# KiCad board artix-dc-scm.kicad_pcb (continued)
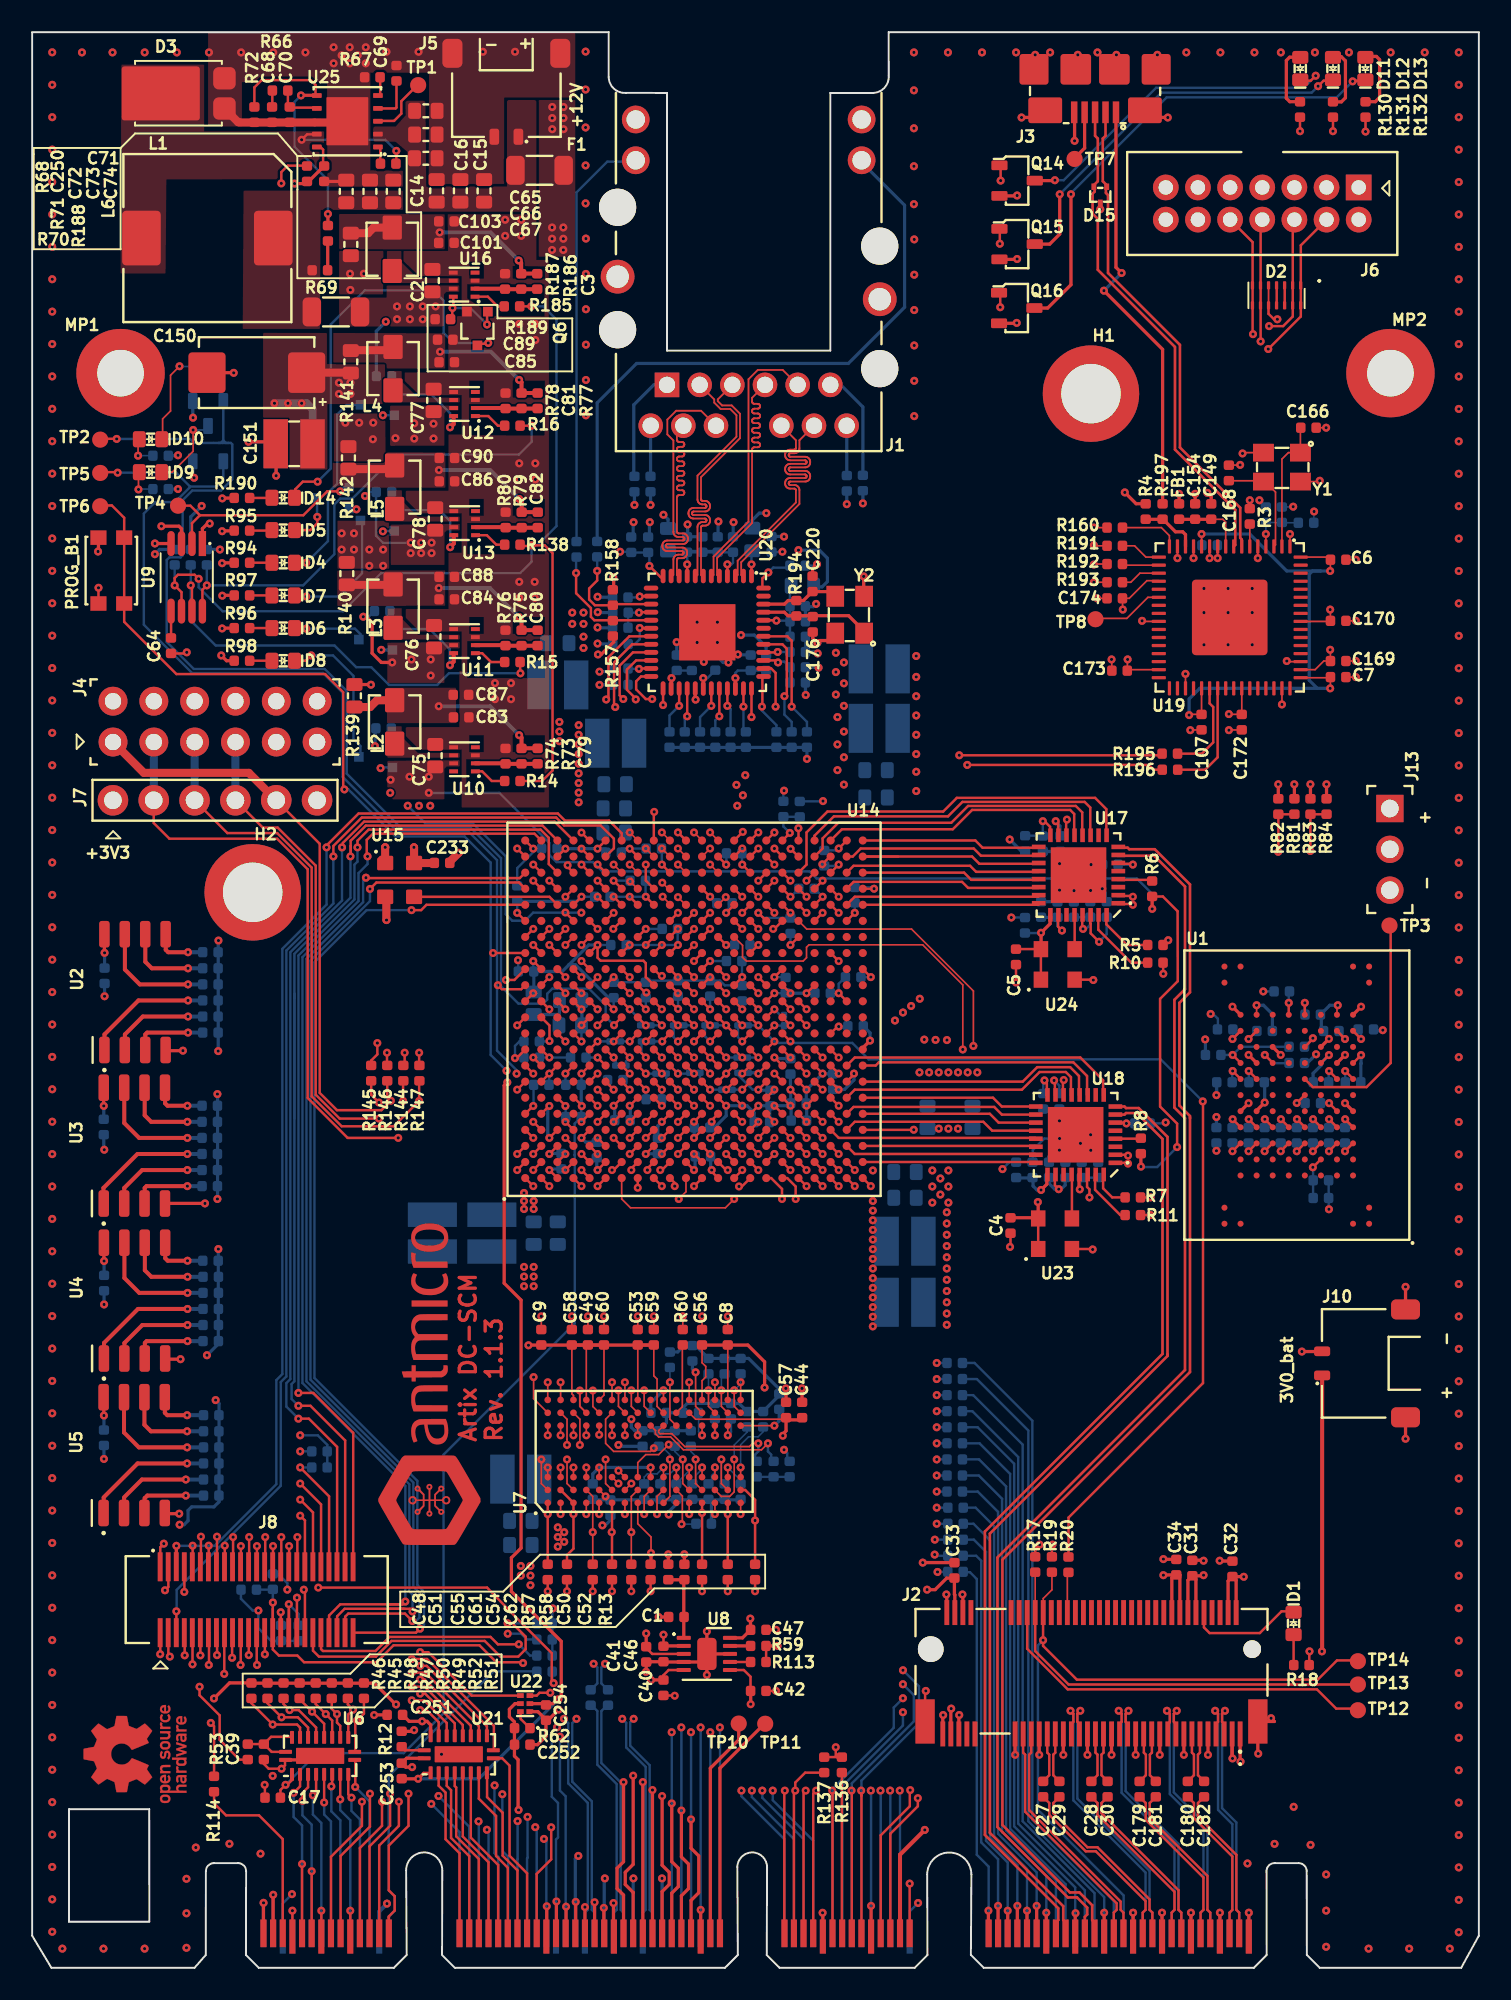
[diagram p0: board, top side]
## Nets (continued)
NCSI_TXEN: J9.B20 U14.A13
PCIE_BMC_CLK_100_N: J9.A15 U14.E6
PCIE_BMC_CLK_100_P: J9.A14 U14.F6
PCIE_BMC_RX_N: J9.A21 U14.A8
PCIE_BMC_RX_P: J9.A20 U14.B8
PCIE_BMC_TX_N: C194.1 J9.A18
PCIE_BMC_TX_P: C195.1 J9.A17
PCIE_HPM_CLK_N: J2.53 J9.B57
PCIE_HPM_CLK_P: J2.55 J9.B56
PCIE_HPM_RX[0]_N: J2.41 J9.A60
PCIE_HPM_RX[0]_P: J2.43 J9.A59
PCIE_HPM_RX[1]_N: J2.29 J9.A63
PCIE_HPM_RX[1]_P: J2.31 J9.A62
PCIE_HPM_RX[2]_N: J2.17 J9.A66
PCIE_HPM_RX[2]_P: J2.19 J9.A65
PCIE_HPM_RX[3]_N: J2.5 J9.A69
PCIE_HPM_RX[3]_P: J2.7 J9.A68
PCIE_HPM_TX[0]_N: C29.2 J9.B60
PCIE_HPM_TX[0]_P: C27.2 J9.B59
PCIE_HPM_TX[1]_N: C30.2 J9.B63
PCIE_HPM_TX[1]_P: C28.2 J9.B62
PCIE_HPM_TX[2]_N: C181.2 J9.B66
PCIE_HPM_TX[2]_P: C179.2 J9.B65
PCIE_HPM_TX[3]_N: C182.2 J9.B69
PCIE_HPM_TX[3]_P: C180.2 J9.B68
PECI_BMC: J9.B27 TP10.1
PROGRAM: J8.40 PROG_B1.1 PROG_B1.2 R89.2 TP6.1 U14.N12
PRSNT0_N_R: R114.1 U14.E21
PRSNT1_N: J2.50 J9.A57 R19.2 TP14.1
QSPI0_CLK: J8.18 J9.B11
QSPI0_CS0_N: J8.20 J9.B12
QSPI0_CS1_N: J8.7 J9.B42
QSPI0_D0: J8.22 J9.B13
QSPI0_D1: J8.24 J9.B14
QSPI0_D2: J8.26 J9.B15
QSPI0_D3: J8.28 J9.B16
QSPI1_CLK: J9.B43 U14.R4
QSPI1_CS0_N: J9.B44 U14.R2
QSPI1_D0: J9.B45 U14.R3
QSPI1_D1: J9.B46 U14.T4
QSPI1_D2: J9.B47 U14.T3
QSPI1_D3: J9.B48 U14.T1
QSPIA1_CS_N: J8.12 R24.2 U5.1
QSPIA1_D0: J8.16 R32.1 U5.5
QSPIA1_D1: J8.10 R44.1 U5.2
QSPIA1_D2: J8.8 R36.1 U5.3
QSPIA1_D3: J8.14 R40.1 U5.7
QSPIA2_CS_N: J8.13 R23.2 U4.1
QSPIA2_D0: J8.19 R31.1 U4.5
QSPIA2_D1: J8.11 R43.1 U4.2
QSPIA2_D2: J8.9 R35.1 U4.3
QSPIA2_D3: J8.15 R39.1 U4.7
QSPIA_CLK: J8.17 R27.2 R28.2 U4.6 U5.6
QSPIB1_CS_N: J8.25 R22.2 U3.1
QSPIB1_D0: J8.29 R30.1 U3.5
QSPIB1_D1: J8.23 R42.1 U3.2
QSPIB1_D2: J8.21 R34.1 U3.3
QSPIB1_D3: J8.27 R38.1 U3.7
QSPIB2_CS_N: J8.35 R21.2 U2.1
QSPIB2_D0: J8.41 R29.1 U2.5
QSPIB2_D1: J8.33 R41.1 U2.2
QSPIB2_D2: J8.31 R33.1 U2.3
QSPIB2_D3: J8.37 R37.1 U2.7
QSPIB_CLK: J8.39 R25.2 R26.2 U2.6 U3.6
RGMII_REF_CLK: R153.1 U14.H19 U20.41
RGMII_RX_CLK: R152.1 U14.K19 U20.35
RGMII_RX_DV: R151.1 U14.M22 U20.33
RGMII_RXD0: R127.1 U14.L20 U20.32
RGMII_RXD1: R148.1 U14.L21 U20.31
RGMII_RXD2: R149.1 U14.K21 U20.28
RGMII_RXD3: R150.1 U14.K22 U20.27
RGMII_TX_CLK: U14.J19 U20.24
RGMII_TX_DV: U14.J22 U20.25
RGMII_TXD0: U14.G20 U20.19
RGMII_TXD1: U14.H20 U20.20
RGMII_TXD2: U14.H22 U20.21
RGMII_TXD3: U14.J21 U20.22
RoT_CPU_RST_N_R: R109.1 U14.Y1
ROT_GPIO1: J8.5 U14.G22
ROT_GPIO2: J8.6 U14.F21
ROT_MISO: J8.47 U14.C22
ROT_MOSI: J8.49 U14.C20
ROT_QSPI_CS_B: J8.43 R161.2
ROT_QSPI_DQ0: J8.38 U14.P22
ROT_QSPI_DQ1: J8.36 U14.R22
ROT_QSPI_DQ2: J8.34 R134.2 U14.P21
ROT_QSPI_DQ3: J8.32 R135.2 U14.R21
ROT_QSPI_SCK: J8.30 R86.2 R87.1 U14.L12
ROT_RDY\ROT_GPIO0: J8.44 U14.B22
ROT_RX: J8.48 U14.A19
ROT_SCLK: J8.50 U14.A18
ROT_SS: J8.45 U14.D22
ROT_TX: J8.46 U14.A20
RST_PLTRST_BUF_N_R: R107.1 U14.W1
RSVD2: R136.2 R137.1 U14.Y7
SGPIO0_CLK: J9.B30 R137.2 U14.W5
SGPIO0_DI: J9.B31 U14.W4
SGPIO0_DO: J9.B29 U14.V5
SGPIO0_LD: J9.B32 U14.V7
SGPIO1_DI: J9.B36 U14.Y8
SGPIO1_DO: J9.B34 U14.Y6
SGPIO1_LD: J9.B37 U14.Y9
SGPIO_INTR_N: J9.B40 U14.U7
SGPIO_RESET_N: J9.B39 U14.U5
SPARE0_R: R111.2 U14.AA1
SPARE1_R: R108.2 U14.Y2
SPI0_CLK: J4.4 J7.4 J9.OB11 R145.2
SPI0_CLK_R: R145.1 U14.E16
SPI0_CS_N: J4.1 J7.5 J9.OB12 R146.2
SPI0_CS_N_R: R146.1 U14.D16
SPI0_MISO: J4.3 J7.3 J9.OB14 R147.2
SPI0_MISO_R: R147.1 U14.B16
SPI0_MOSI: J4.2 J7.2 J9.OB13 R144.2
SPI0_MOSI_R: R144.1 U14.A16
SYS_PWRBTN_N_R: R103.1 U14.U2
SYS_PWROK_R: R104.1 U14.V3
TPM_GPIO: J4.9 U14.Y21
TPM_PIRQ#: J4.7 U14.G17
TPM_PP: J4.10 U14.G18
TPM_RST: J4.8 U14.V22
UART0_SCM_RX: J9.OB9 U14.D17
UART0_SCM_TX: J9.OB8 U14.E17
UART1_SCM_RX: J9.OB6 U14.T21
UART1_SCM_TX: J9.OB5 U14.U21
ULPI1_CLKOUT: U14.W19 U17.14
ULPI1_DATA0: U14.AB18 U17.24
ULPI1_DATA1: U14.AA18 U17.23
ULPI1_DATA2: U14.AA19 U17.22
ULPI1_DATA3: U14.AB20 U17.21
ULPI1_DATA4: U14.AA20 U17.20
ULPI1_DATA5: U14.AB21 U17.19
ULPI1_DATA6: U14.AA21 U17.18
ULPI1_DATA7: U14.AB22 U17.17
ULPI1_DIR: U14.W21 U17.12
ULPI1_NXT: U14.W22 U17.11
ULPI1_RESET: U14.V20 U17.9
ULPI1_STP: U14.Y22 U17.13
ULPI2_CLKOUT: U14.V4 U18.14
ULPI2_DATA0: U14.AB2 U18.24
ULPI2_DATA1: U14.AA3 U18.23
ULPI2_DATA2: U14.AB3 U18.22
ULPI2_DATA3: U14.Y4 U18.21
ULPI2_DATA4: U14.AA4 U18.20
ULPI2_DATA5: U14.AB5 U18.19
ULPI2_DATA6: U14.AA5 U18.18
ULPI2_DATA7: U14.AB6 U18.17
ULPI2_DIR: U14.AB7 U18.12
ULPI2_NXT: U14.AB8 U18.11
ULPI2_RESET: U14.AA8 U18.9
ULPI2_STP: U14.AA6 U18.13
USB1_D_N: J9.B54 U17.8
USB1_D_P: J9.B53 U17.7
USB2_D_N: J9.B51 U18.8
USB2_D_P: J9.B50 U18.7
USR_LED0: Q14.1 U14.T20
USR_LED1: Q15.1 U14.U20
USR_LED2: Q16.1 U14.W20
VIRTUAL_RESEAT_R: R115.1 U14.E22
Net-(C20-Pad2): C20.2 C247.2 C249.2 U17.15 U17.26
Net-(C63-Pad1): C63.1 R99.1 R100.1
Net-(C68-Pad2): C68.2 R66.2
Net-(C72-Pad2): C72.2 C73.2 C74.2 L1.2 R69.2 R70.1
Net-(C79-Pad2): C79.2 C83.2 C87.2 L2.2 R73.1 R139.2
Net-(C80-Pad2): C80.2 C84.2 C88.2 L3.2 R75.2 R140.2
Net-(C81-Pad2): C81.2 C85.2 C89.2 L4.2 R77.1 R141.2
Net-(C82-Pad2): C82.2 C86.2 C90.2 L5.2 R79.1 R142.2
Net-(C101-Pad2): C3.2 C101.2 C103.2 L6.2 R186.1 R188.2
Net-(C177-Pad2): C26.2 C177.2 C248.2 U18.15 U18.26
Net-(D1-A): D1.2 R18.1
Net-(D3-C): C71.2 D3.1 L1.1 U25.9
Net-(D4-A): D4.2 R94.1
Net-(D4-C): D4.1 Q1.3
Net-(D5-A): D5.2 R95.1
Net-(D5-C): D5.1 Q2.3
Net-(D6-A): D6.2 R96.1
Net-(D6-C): D6.1 Q3.3
Net-(D7-A): D7.2 R97.1
Net-(D7-C): D7.1 Q4.3
Net-(D8-A): D8.2 R98.1
Net-(D8-C): D8.1 Q5.3
Net-(D9-A): D9.2 R128.1
Net-(D9-C): D9.1 Q12.3
Net-(D10-A): D10.2 R129.1
Net-(D10-C): D10.1 Q13.3
Net-(D11-A): D11.2 R130.1
Net-(D11-C): D11.1 Q14.3
Net-(D12-A): D12.2 R131.1
Net-(D12-C): D12.1 Q15.3
Net-(D13-A): D13.2 R132.1
Net-(D13-C): D13.1 Q16.3
Net-(D14-A): D14.2 R190.1
Net-(D14-C): D14.1 Q6.3
Net-(J1-Pad13): J1.13 R165.1
Net-(J1-Pad15): J1.15 R166.1
Net-(J1-TRCT1): C225.2 J1.12
Net-(J1-TRCT2): C226.2 J1.6
Net-(J1-TRCT3): C227.2 J1.1
Net-(J1-TRCT4): C228.2 J1.7
Net-(J2-ALERT): J2.44 R20.2
Net-(J2-~{CLKREQ}): J2.52 R17.2 TP13.1
Net-(J2-~{PEWAKE}): J2.54 TP12.1
Net-(J3-ID): J3.4 TP7.1
Net-(J9-PadB35): J9.B35 R136.1
Net-(R70-Pad2): R70.2 R71.1
Net-(U1-CLK): R9.1 U1.P6
Net-(U1-DS): TP3.1 U1.K5
Net-(U1-VDDIM): C188.2 C189.2 U1.E4
Net-(U7-ZQ): R60.1 U7.L8
Net-(U8-EN): R113.1 U8.7
Net-(U8-PGOOD): R59.2 U8.9
Net-(U8-REFIN): C1.2 R57.2 R58.2 U8.1
Net-(U9-TADJ): C64.2 U9.5
Net-(U10-EN): R14.1 U10.1
Net-(U10-FB): C79.1 R73.2 R74.1 U10.2
Net-(U10-SW): L2.1 U10.6
Net-(U11-EN): R15.1 U11.1
Net-(U11-FB): C80.1 R75.1 R76.1 U11.2
Net-(U11-SW): L3.1 U11.6
Net-(U12-EN): R16.1 U12.1
Net-(U12-FB): C81.1 R77.2 R78.1 U12.2
Net-(U12-SW): L4.1 U12.6
Net-(U13-EN): R138.1 U13.1
Net-(U13-FB): C82.1 R79.2 R80.1 U13.2
Net-(U13-SW): L5.1 U13.6
Net-(U14A-IO_L6P_T0_FCS_B_14): R133.2 R161.1 U14.T19
Net-(U14D-CFGBVS_0): R85.2 U14.U8
Net-(U14E-MGTRREF_216): R143.1 U14.F8
Net-(U16-EN): R185.1 U16.1
Net-(U16-FB): C3.1 R186.2 R187.1 U16.2
Net-(U16-SW): L6.1 U16.6
Net-(U17-RBIAS): R5.2 U17.32
Net-(U17-REG_EN): R10.2 U17.31
Net-(U17-VBUS): R6.2 U17.4
Net-(U17-VDDA1.8): C25.2 C246.2 U17.29
Net-(U17-XI): U17.28 U24.3
Net-(U18-RBIAS): R7.2 U18.32
Net-(U18-REG_EN): R11.1 U18.31
Net-(U18-VBUS): R8.2 U18.4
Net-(U18-VDDA1.8): C22.2 C245.2 U18.29
Net-(U18-XI): U18.28 U23.3
Net-(U19-ADBUS0): R160.1 U19.16
Net-(U19-ADBUS1): R191.1 U19.17
Net-(U19-ADBUS2): R192.1 U19.18
Net-(U19-ADBUS3): R193.1 U19.19
Net-(U19-ADBUS5): TP8.1 U19.22
Net-(U19-CDBUS0): R195.1 U19.38
Net-(U19-CDBUS1): R196.1 U19.39
Net-(U19-OSCI): C166.2 U19.2 Y1.1
Net-(U19-OSCO): C168.2 U19.3 Y1.3
Net-(U19-REF): R3.2 U19.6
Net-(U19-~{RESET}): R4.1 R197.1 U19.14
Net-(U20-ISET): R159.2 U20.48
Net-(U20-XI): C220.2 R194.2 U20.46 Y2.3
Net-(U20-XO): C176.2 R194.1 U20.45 Y2.1
Net-(U21-EN): R12.1 U21.20
Net-(U22-EN): R62.1 U22.6
Net-(U25-BOOT): C71.1 U25.1
Net-(U25-COMP): C70.2 R66.1 U25.7
Net-(U25-EN): TP1.1 U25.3
Net-(U25-FB): R71.2 R72.1 U25.6
Net-(U25-RT/CLK): R67.2 U25.5
Net-(U25-SS/TR): C69.2 U25.4

Pads without a net: D2 3 4 11 12; H1 1; H2 1; J2 6 8 20 22 24 26 28 30 32 34 36 38 40 42 46 48 56 58 67 68 69; J6 12 14; MP1 1; MP2 1; U1 A1 A2 A9 A10 B1 B10 D2 D3 D4 D5 D6 D7 D8 D9 E2 E3 E5 E6 E7 E8 E9 H4 H5 H6 H7 J2 J3 J4 J6 J7 J8 J9 K4 K6 K7 L5 L6 M2 M3 M6 M8 M9 N4 N5 N6 N7 P4 P7 T1 T10 U1 U2 U9 U10; U7 J1 J9 L1 L9 M7; U10 4 8; U11 4; U12 4; U13 4; U14 A6 A10 AA9 AA10 AA11 AA13 AA14 AA15 AA16 AB10 AB11 AB12 AB13 AB15 AB16 AB17 B6 B10 B17 B18 B21 C5 C7 C9 C11 C17 D5 D7 D9 D11 D15 D21 E10 E18 E19 F4 F10 F14 F15 F16 G4 G16 G21 H14 H15 H17 J17 J20 L19 M18 M20 N15 N17 N19 P14 P15 P20 R6 R14 R16 T14 T15 T16 U15 U16 V10 V13 V14 V15 W10 W11 W12 W14 W15 W16 Y11 Y12 Y13 Y14 Y16 Y17; U16 4; U17 3 5 10 27; U18 3 5 10 27; U19 21 23 24 26 27 28 29 30 32 33 34 36 40 41 43 44 45 46 48 52 53 54 55 57 58 59 60 61 62 63; U20 13 43 47

## Via types
v1: diameter 0.5, hole 0.2, Top to In1.Cu, 120 vias
v2: diameter 0.5, hole 0.2, Top to Bottom, 1140 vias
v3: diameter 0.5, hole 0.2, Top to In2.Cu, 193 vias
v4: diameter 0.5, hole 0.2, Top to In5.Cu, 105 vias

## Routing (per net, layer and track width the routed paths; a pad name or vN(x,y) marks a point on that pad's centre or on a via; arc(x,y) is an arc through that point)
1V0_PG: length 97.8
  Top w0.15: v2(10.41,17.49) 10.41,16.96 11.66,15.71 11.66,14.19 12.9,12.95 13.41,12.95
  Top w0.25: U12.8 26.22,96 ; 26.22,96.05 v2(25.99,95.83)
  In5.Cu w0.15: v2(10.41,17.49) 11.93,19 11.93,19.4 12.16,19.64 12.16,33.62 12.82,34.28 12.82,35.37 16.63,39.18 16.63,58.2 22.87,64.43 22.87,88.63 25.99,91.76 v2(25.99,95.83)
  Bottom w0.15: v2(25.99,95.83) 25.99,96.71 24.82,97.88 22.43,97.88 22.37,97.93 R61.2
1V8_FT: length 36.2
  Top w0.1: 72.75,88.41 v2(72.75,89.19) ; 78.91,80.25 80.73,80.25 80.77,80.29 80.77,79.6 v2(80.75,79.59) ; 78.91,87.75 80.6,87.75 80.77,87.59 80.77,86.9 v2(80.75,86.89) ; 72.75,79.59 72.75,77.97 72.02,77.97 v2(71.97,77.93)
  Bottom w0.1: 72.77,88.49 72.77,89.17 v2(72.75,89.19)
  Bottom w0.2: 80.15,86.89 v2(80.75,86.89) ; 80.15,86.89 79.65,86.89 79.45,86.69 79.45,80.09 79.95,79.59 ; 80.15,86.89 78.05,86.89 75.75,89.19 v2(72.75,89.19) ; 79.95,79.59 72.64,79.59 71.97,78.93 v2(71.97,77.93) ; 79.95,79.59 v2(80.75,79.59)
3V0_BAT: length 56.4
  Top w0.25: 53.99,1.96 53.99,7.04 v2(55.53,8.58) ; 80.25,36.84 80.25,19.7 v2(80.24,19.69)
  In5.Cu w0.25: v2(80.24,19.69) 80.24,15.06 73.76,8.58 v2(55.53,8.58)
/Ethernet/AVDDH: length 17.5
  Top w0.15: v2(38.4,87.2) 39.1,86.5 39.25,86.5 ; 44.75,86.5 v2(44.75,87.3)
  In5.Cu w0.15: v2(36.57,88.09) v2(46.67,88.09)
  Bottom w0.15: v2(44.75,87.3) 44.75,88.1 FB4.2 44.88,88.07 46.65,88.07 v2(46.67,88.09) ; v2(36.57,88.09) 37.04,88.09 37.08,88.05 37.4,88.05 37.41,88.04 38.39,88.04 38.4,88.03 v2(38.4,87.2)
/Ethernet/AVDDL: length 9.4
  Top w0.15: 43.25,86.5 v2(43.25,87.3) ; 40.75,86.5 v2(40.75,87.3)
  Bottom w0.15: v2(40.75,87.3) 40.75,88.05 40.74,88.05 42.65,88.05 ; v2(43.25,87.3) 43.5,87.3 43.6,87.4 43.6,88.05 42.65,88.05 ; 42.65,88.05 42.57,88.13 FB6.1
/Ethernet/AVDDL_PLL: length 4.7
  Top w0.15: 45.43,83.83 46.27,83.83 v2(46.3,83.8)
  Bottom w0.15: v2(46.3,83.8) 47.09,83.8 47.14,83.75 ; 47.14,82.8 47.14,85.8
/Interfaces/1V0_EN: length 4.5
  Top w0.15: 16.16,14.37 14.87,14.37 14.41,13.92 ; 14.41,13.92 14.9,13.44 15.73,13.44 ; 14.41,13.92 13.41,13.92
/Interfaces/VBUS: length 26
  Top w0.2: v2(66.68,104.33) 70.33,100.68 70.33,91.08 ; 67.43,114.97 67.43,105.78 v2(67.78,105.43)
  Bottom w0.2: v2(67.78,105.43) v2(66.68,104.33)
/Power supply/1V2_PG: length 4.7
  Top w0.15: 28.3,102.92 v2(28.3,102.22) ; 26.18,102.46 26.2,102.45 ; U16.8 26.2,103.3 v2(26.15,103.25) 26.13,103.23 26.13,102.55
  Top w0.25: 26.2,102.45 26.2,102.45
  Bottom w0.15: v2(28.3,102.22) 27.28,103.25 v2(26.15,103.25)
/Power supply/1V8_PG: length 7.3
  Top w0.25: U11.8 26.22,81.25 v2(25.99,81.03)
  Bottom w0.15: R91.2 22.26,83.95 22.43,83.77 22.43,83.38 22.32,83.28 24.73,83.28 25.98,82.03 25.98,81.05 v2(25.99,81.03)
/Power supply/1V35_PG: length 7.2
  Top w0.25: v2(26.01,88.37) 26.23,88.59 U13.8
  Bottom w0.15: v2(26.01,88.37) 26.01,90 25.32,90.68 22.43,90.68 22.43,91.49 22.37,91.54
/Power supply/2V5_PG: length 0.8
  Bottom w0.15: 22.32,75.98 22.32,76.79 22.35,76.81
/Power supply/5V0_PG: length 37.6
  Top w0.15: 10.44,90.36 9.94,89.86 U9.2 ; 10.44,90.36 16.87,90.36 18.36,91.84 v2(19.16,91.84) ; 10.44,90.36 9.84,90.95 9.12,90.95 ; 18.16,112.08 18.1,112.15 18.1,113.1 17.94,113.26 17.65,113.26
  Top w0.2: 18.16,112.08 17.2,111.12 17.1,111.12 16.97,110.99 v2(16.33,110.99)
  In5.Cu w0.15: v2(16.33,110.99) 17.95,109.36 17.95,93.05 v2(19.16,91.84)
  Bottom w0.15: 19.62,92.08 19.39,92.08 v2(19.16,91.84)
/Power supply/VCCAUX_EN: length 28.3
  Top w0.15: v2(9.87,85.99) 9.94,85.92 U9.7 ; 30.36,81.23 30.36,80.54 v2(30.37,80.53)
  Bottom w0.15: 9.87,87.26 v2(9.87,85.99) 9.87,83.81 11.42,82.25 18.81,82.25 20.16,80.9 21.1,80.9 22.2,79.8 25.2,79.8 25.93,80.53 v2(30.37,80.53)
/Power supply/VCCINT_EN: length 30.4
  Top w0.15: v2(10.87,85.99) 10.59,85.72 10.59,84.39 ; 30.36,95.93 v2(31.07,95.93)
  Bottom w0.15: 10.93,87.23 10.87,87.16 v2(10.87,85.99) 16.86,85.99 18.8,87.93 18.8,91.02 19.17,91.39 19.92,91.39 22.66,94.13 30.29,94.13 31.07,94.92 v2(31.07,95.93)
/Power supply/VCCIO_EN: length 64.9
  Top w0.15: 9.29,84.39 9.29,85.57 v2(8.87,85.99) 8.87,86.45 9.07,86.65 10.11,86.65 v2(10.36,86.4) ; 30.34,103.35 v2(31.05,103.35) ; 30.32,88.44 31.03,88.44 ; 30.36,73.83 31.72,73.83 32.37,74.48 32.37,88 31.89,88.48 v2(31.07,88.48)
  Bottom w0.15: 8.87,87.26 v2(8.87,85.99) ; v2(31.05,103.35) 31.79,103.35 32.62,102.52 32.62,89.68 31.42,88.48 v2(31.07,88.48) 31.07,87.46 30.36,86.75 21.71,86.75 19.34,84.38 11.85,84.38 10.36,85.87 v2(10.36,86.4)
GND: length 490
  Top w0.1: U7.B3 v1(32.87,31.12) ; 43.27,39.73 v1(43.27,40.53) ; U7.T1 44.07,28.23 ; U7.T9 v1(44.07,36.43) ; U7.M9 v1(40.87,36.43) ; U7.G8 36.48,34.93 v1(36.48,35.93) ; U7.B9 v1(32.87,36.43) ; U7.A9 v1(32.07,36.43) ; 76.25,88.41 v2(76.25,87.69) ; U7.M1 40.87,28.23 ; U7.F9 v1(36.07,36.43) ; 35.27,28.23 U7.E1 35.27,28.23 ; 35.27,28.23 v1(35.27,28.23) ; v2(80.1,92.5) 80.05,92.45 Y1.4 ; 31.68,39.73 v1(31.68,40.53) ; 72.75,77 72.06,77 v2(72.05,76.99) ; U7.P1 42.48,28.23 ; 34.07,35.91 34.07,34.93 U7.D8 34.07,34.93 v1(34.07,35.91) ; U7.D1 34.48,28.23 ; 81.74,80.29 v2(82.35,80.29) ; 70.09,83.75 69.09,83.75 v2(69.05,83.79) ; U7.J8 38.07,34.93 v1(38.07,35.93) ; 41.68,39.73 v1(41.68,40.53) ; 73.25,88.41 v2(73.25,87.69) ; U7.G1 36.87,28.23 ; v1(32.87,28.23) 32.87,28.23 U7.B1 ; 72.25,88.41 v2(72.25,87.69) ; U7.G9 v1(36.87,36.43) ; v2(78.05,81.29) 78.09,81.25 78.91,81.25 ; v1(38.07,28.23) 38.07,29.33 U7.J2 ; 67.16,80.69 67.16,81.3 ; 81.74,87.59 v2(82.35,87.59) ; 40.48,39.73 v1(40.48,40.53) ; 33.57,39.73 v1(33.57,40.53) ; 75.75,90.77 v2(75.75,91.29) ; U19.47 v2(77.75,78.59) ; v2(75.3,94.2) 75.35,94.25 76.6,94.25 ; 81.74,81.29 v2(82.35,81.29) ; U7.E8 34.88,34.92 v1(34.88,35.91) ; 78.25,88.41 v2(78.25,89.19) ; 66.87,85.19 v2(66.25,85.19) ; 74.45,93.47 75.14,93.47 v2(75.15,93.49) ; U7.P9 v1(42.48,36.43) ; 73.75,88.41 v2(73.75,87.69) ; 35.57,39.73 v1(35.57,40.53) ; 81.74,83.79 v2(82.35,83.79) ; D2.5 D2.10 ; 38.68,39.73 v1(38.68,40.53) ; 66.45,109.86 v2(66.45,109.39) ; 37.68,39.73 v1(37.68,40.53) ; U7.E2 v1(35.68,29.33) ; 34.57,39.73 v1(34.57,40.53) ; v2(74.45,76.99) 74.47,77 75.25,77 ; 71.75,79.59 v2(71.75,80.49) ; 79.89,95.8 v2(80.5,95.8) ; 71.25,88.41 v2(71.25,87.69)
  Top w0.15: U14.K7 v2(40.18,54.63) ; 50.68,50.12 v1(51.18,49.62) ; U14.E20 v1(34.18,68.63) ; U14.L2 v2(41.18,49.62) ; 47.68,49.12 v1(48.18,48.62) ; U14.G6 v2(36.18,53.63) ; U14.D4 v1(33.18,52.63) ; U14.G7 v2(37.18,54.63) ; U14.F5 v1(35.18,52.63) ; 42.68,54.13 v2(43.18,53.63) ; 44.97,24.14 v1(44.97,23.43) ; U14.H1 v1(37.68,48.53) ; U14.K11 v1(40.18,58.63) ; 41.68,59.13 v1(42.18,58.63) ; U14.H9 v2(38.18,56.63) ; U14.L10 v2(40.18,57.63) ; U14.G5 v1(36.18,52.63) ; 44.68,68.13 v2(44.18,68.63) ; 49.68,53.13 v1(50.18,52.63) ; 43.68,51.12 v1(44.18,50.62) ; 45.66,17.23 v1(46.27,17.23) ; U14.L22 v1(40.18,70.63) ; 41.68,67.13 v2(42.18,66.63) ; 50.68,70.13 v2(50.18,69.63) ; 47.68,69.11 v2(47.18,69.61) ; 67.51,66.68 68.43,66.68 ; 48.68,56.13 v2(49.18,55.63) ; U14.J18 v2(38.18,66.63) ; 82.17,52.3 v2(81.68,52.79) ; U14.E7 v1(35.18,55.63) ; 46.68,62.13 v2(46.18,61.63) ; 43.68,61.13 v2(44.18,61.63) ; 44.68,58.13 v2(44.18,57.63) ; U14.H11 v1(38.18,58.63) ; U14.J12 v1(39.18,59.63) ; U14.G14 v1(37.18,61.63) ; 45.68,55.13 v2(45.18,54.63) ; 16.19,1.96 v2(16.19,3.56) ; U14.F17 v1(36.18,65.63) ; U14.C16 v1(33.18,64.63) ; U14.B19 v1(31.18,67.63) ; 41.68,58.13 v2(41.18,57.63) ; 43.68,59.13 v1(44.18,58.63) ; 44.68,56.13 v1(44.18,55.63) ; 8.64,81.76 9.55,81.76 v2(9.62,81.83) ; 32.07,24.14 v1(32.07,23.43) ; U14.A5 31.16,53.61 v2(31.18,53.61) ; U14.H21 37.19,69.61 v2(37.18,69.61) ; 76.17,52.3 v2(75.68,52.79) ; U14.K5 v2(39.18,52.63) ; PROG_B1.4 4.12,85.84 v2(4.13,85.84) ; v2(31.18,69.61) 31.18,69.63 U14.A22 ; U14.D3 v1(33.18,51.63) ; U14.B12 v1(32.18,59.63) ; v2(66.01,61.45) 66,61.47 64.85,61.47 ; 67.51,66.18 68.43,66.18 v1(68.47,66.13) ; 79.17,52.3 v2(78.68,52.79) ; U14.D8 v2(33.18,55.63) ; U14.K9 v1(40.18,56.63) ; U14.K15 v2(40.18,63.63) ; 45.68,65.13 v2(45.18,65.63) ; 35.66,59.13 v1(35.16,58.63) ; 43.68,57.13 v1(44.18,56.63) ; U14.G9 v2(37.18,56.63) ; 81.17,52.3 v2(80.68,52.79) ; U14.A11 v1(30.18,58.63) ; 50.68,60.13 v2(50.18,60.63) ; 77.17,52.3 v2(76.68,52.79) ; U23.2 65.94,44.72 v2(65.97,44.69) ; 42.68,64.13 v2(43.18,63.63) ; 42.68,56.13 v1(42.18,56.63) 41.68,57.13 ; U14.J8 v1(39.18,55.63) ; U14.C10 v2(33.18,57.63) ; U14.A12 v1(31.18,60.63) ; 17.99,1.96 v1(17.99,3.56) ; 41.68,55.13 v2(42.18,54.63) ; U14.J10 v1(38.18,57.63) ; U14.C12 v1(33.18,59.63) ; U14.D13 v1(34.18,60.63) ; 42.68,58.13 v2(42.18,57.63) ; 45.68,57.13 v1(46.18,57.63) ; 34.68,59.14 v1(34.18,58.64) ; 47.68,59.13 v1(48.18,58.63) ; v2(30.04,56.59) 30.14,56.59 U14.A9 ; 38.47,24.14 v1(38.47,23.43) ; 76.91,103.37 76.91,102.89 77.25,102.55 v2(77.47,102.55) ; U14.C6 33.18,53.63 v2(33.18,53.61) ; U14.A2 v1(30.18,49.62) ; U14.H7 v2(38.18,54.63) ; 67.31,50.58 68.12,50.58 v1(68.18,50.53) ; U14.D12 v1(34.18,59.63) ; 70.36,63.63 70.66,63.92 v2(70.68,63.92) ; 39.27,16.94 39.96,16.94 v1(39.98,16.93) ; 14.41,12.95 14.41,12.69 14.71,12.39 v2(15.51,12.39) 15.73,12.6 15.73,12.94 ; 43.27,24.14 v1(43.27,23.43) ; v1(14.46,11.39) 14.48,11.37 14.48,10.59 ; 19.79,1.96 v1(19.79,3.56) ; U14.G10 v1(36.18,57.63) ; 60.87,45.69 60.87,44.88 v2(60.84,44.84) ; 43.68,55.13 v1(43.18,54.63) ; 34.87,24.14 v1(34.87,23.43) ; 37.27,24.14 v1(37.27,23.43) ; 33.27,24.14 v1(33.27,23.43) ; U14.C3 v2(32.18,50.62) ; U14.A3 v1(30.18,50.62) ; U14.A7 v1(30.18,54.63) ; 68.96,47.93 v2(69.58,47.93) ; 78.17,52.3 v2(77.68,52.79) ; v2(7.96,19.51) 7.97,19.52 7.97,20.85 ; 8.47,20.85 8.47,19.45 v2(8.57,19.36) ; 45.68,59.13 v2(46.18,59.63) ; 61.21,62.4 v2(61.21,61.3) ; 80.17,52.3 v2(79.68,52.79) ; 48.68,66.13 v2(49.18,66.63) ; U14.E9 v2(35.18,57.63) ; J2.MP2 55.55,17.18 v2(55.59,17.23) ; 44.68,60.13 v2(45.18,59.63) ; U14.B3 v1(31.18,50.62) ; 36.07,24.14 v1(36.07,23.43) ; U14.E5 v1(34.18,52.63) ; v1(68.18,50.03) 68.12,50.08 67.31,50.08 ; U14.G12 v2(37.18,59.63) ; 51.68,67.13 v2(52.37,67.13) ; 75.17,52.3 v2(74.68,52.79) ; 49.68,63.13 v1(50.18,62.63) ; U14.L8 v1(41.18,55.63) ; 41.67,24.14 v1(41.67,23.43) ; 46.68,52.13 v1(47.18,51.63) ; 42.68,57.13 v2(43.18,56.63) ; 79.16,54.29 v2(78.67,53.8) ; U14.L9 v1(41.18,56.63) ; U14.G8 v1(37.18,55.63) ; U14.E4 v2(34.18,51.63)
  Top w0.2: 73.15,14.55 v1(73.15,13.25) ; 75.69,1.96 v2(75.69,3.43) ; 41.59,2.01 v1(41.59,3.61) ; 36.16,2.13 v3(36.16,4.03) ; 32.01,2.23 v3(32.01,3.83) ; 52.19,1.96 v1(52.19,3.86) ; 75.17,59.29 v4(74.67,59.79) ; 80.53,72.73 80.53,73.62 ; 62.35,117.65 62.35,118.95 ; 60.2,102.3 61.23,102.3 ; 41.98,19.53 v1(41.98,20.93) ; 41.98,19.53 43.41,19.53 ; 41.98,19.53 41.48,19.03 39.29,19.03 39.27,19.04 38.49,19.04 38.48,19.03 ; 41.98,19.53 v1(41.98,18.23) ; 49.19,1.96 49.19,3.41 v2(49.17,3.43) ; v1(64.91,3.4) 64.89,3.38 64.89,1.96 ; v2(23.64,12.49) 23.24,12.49 22.99,12.74 ; 69.95,117.65 69.95,118.95 v2(70,119) ; 63.05,115.1 61.55,115.1 v2(61.55,115.1) ; J2.39 v1(65.65,13.25) ; 73.35,91.07 73.35,91.51 v2(73.11,91.75) ; v2(48.83,87.31) 48.55,87.03 48.55,86.58 ; v2(56.68,15.73) 56.65,15.7 56.65,14.55 ; 31.94,15.49 31.96,15.46 31.96,14.41 31.44,13.89 30.98,13.89 ; v2(4.1,88.1) 4.12,88.13 PROG_B1.3 ; 74.65,13.25 74.65,14.55 74.65,13.05 v2(74.68,13.03) ; 75.15,14.55 75.15,12.85 v2(75.18,12.83) ; 73.89,1.96 v2(73.89,3.43) ; v2(13.46,94.92) 15.13,94.92 15.13,94.93 15.18,94.88 v2(15.18,92.81) ; 80.17,57.29 v4(80.67,57.79) ; 81.17,56.29 v4(81.67,56.79) ; U1.H2 v4(81.67,53.79) ; 72.09,1.96 v2(72.09,3.43) ; 15.73,12.94 17.67,12.94 U6.21 ; 75.17,53.29 v4(75.67,53.79) ; 64.85,114.98 v2(64.85,113.65) ; v2(38.19,18.41) 38.2,18.42 38.2,19.02 ; 77.53,72.73 77.53,73.62 v2(77.52,73.62) ; 66.69,1.96 v1(66.69,3.43) ; v2(61.27,110.25) 61.25,110.22 60.23,110.22 ; 19.54,111.2 19.46,111.12 18.16,111.12 ; 46.9,35.19 46.9,36.03 v1(46.88,36.05) ; 23.01,12.76 23.29,13.04 24.35,13.04 ; 76.17,56.29 v4(75.67,56.79) ; 72.35,91.07 v2(72.35,91.69) ; v2(70.65,115.1) 70.65,115.1 69.25,115.1 ; v2(10.75,47.55) 8.31,47.55 8.26,47.5 ; 74.67,25.31 73.9,25.31 v2(73.88,25.33) ; 68.49,1.96 v2(68.49,3.43) ; v1(47.9,36.05) 47.9,35.19 47.9,35.19 ; v2(67.97,91.78) 68.68,91.07 69.28,91.07 ; J2.57 v1(61.15,13.25) ; 41.25,79.65 41.25,78.91 v2(41.27,78.89) ; 57.15,14.55 57.15,16.1 v2(57.18,16.12) ; v2(52.12,57.67) 51.68,57.22 51.68,57.13 ; J2.33 v1(67.15,13.25) ; 45.66,21.03 v1(46.27,21.03) ; 72.18,25.36 72.84,25.36 v2(72.88,25.33) ; 85.44,34.23 v2(85.44,32.91) ; 57.37,25.21 55.41,25.21 v2(55.4,25.21) ; 22.08,15.74 21.29,15.74 v1(21.27,15.73) ; 63.09,1.96 v1(63.09,3.43) ; 39.57,25.11 v1(39.57,25.73) ; 60.23,106.27 61.25,106.27 ; J2.51 v1(62.65,13.25) ; 9.29,88.59 9.29,89.51 9.13,89.67 v2(8.04,89.67) ; 85.44,40.94 v2(85.44,42.36) ; v2(12.54,99.21) 12.53,99.23 C150.2 ; 8.3,57.05 v2(9.38,57.05) ; J2.45 v1(64.15,13.25) ; v2(32.76,16.06) 32.2,15.51 31.96,15.51 ; 48.56,83.09 48.56,82.7 v2(48.85,82.41) 49,82.56 49.74,82.56 ; 30.98,15.94 31.46,15.94 31.91,15.49 31.96,15.49 ; 67.4,117.65 67.4,118.95 ; 71.65,14.55 v1(71.65,13.25) ; 8.26,28.25 v2(9.15,28.25) ; v2(77.07,15.53) 77.28,15.33 76.25,15.33 76.25,13.35 v2(76.28,13.33) ; 70.15,14.55 v1(70.15,13.25) ; 82.17,59.29 v4(82.67,59.79) ; 8.27,37.86 v2(9.23,37.86) ; 57.65,14.55 57.65,15.7 v2(57.68,15.73) ; 77.17,57.29 v4(77.67,56.79) ; 65,117.65 65,118.95 ; 80.25,38.34 v2(78.99,38.34) ; 70.29,1.96 v2(70.29,3.43) ; 71.18,25.41 70.39,25.41 v2(70.38,25.43) ; 51.73,85.33 v2(51.73,86.55) ; J2.27 v1(68.65,13.25) ; 39.59,21.83 v1(38.98,21.83)
  Top w0.5: 17.62,114.79 19.62,114.79 ; v2(26.54,69.36) 25.98,68.8 25.98,68.73 ; D3.2 12.81,114.81 12.88,114.81 ; 22.04,66.58 22.04,65.19 ; 17.54,114.79 12.88,114.79
  In5.Cu w0.2: v4(75.67,53.79) 75.67,54.14 76.17,54.64 76.17,56.29 v4(75.67,56.79) 75.22,57.24 75.22,59.24 75.17,59.29 ; 75.87,58.59 79.97,58.59 ; 75.87,58.59 76.23,58.59 77.67,57.14 v4(77.67,56.79) ; 75.87,58.59 v4(74.67,59.79) ; 79.97,58.59 81.47,58.59 v4(82.67,59.79) ; 79.97,58.59 80.23,58.59 80.67,58.14 v4(80.67,57.79) v4(81.67,56.79) 81.17,56.29 81.17,54.64 81.67,54.14 v4(81.67,53.79)
  Bottom w0.1: v2(78.45,90.89) 78.44,90.87 77.75,90.87 ; v2(78.67,53.8) 78.68,53.79 79.19,53.79 ; v2(80.68,52.79) 80.67,52.78 80.67,52.27 ; v2(73.75,87.69) 73.74,87.7 73.74,88.49 ; v2(76.35,91.29) 76.75,90.89 76.75,90.87 ; v2(78.68,52.79) 78.67,52.78 78.67,52.27 ; v2(79.68,52.79) 79.67,52.78 79.67,52.27 ; 77.67,52.27 77.67,52.78 v2(77.68,52.79)
  Bottom w0.15: 63.76,66.33 63.76,67.01 ; 66.57,68.61 65.89,68.61 ; 65.83,66.32 65.83,67 ; v2(46.18,59.63) 46.55,59.25 46.77,59.25 ; 49.19,1.96 49.19,3.41 v2(49.17,3.43) ; v2(31.18,53.61) 31.19,53.62 31.19,54.93 ; 44.16,69.33 44.16,68.64 v2(44.18,68.63) ; v2(80.67,47.19) 80.66,47.2 80.66,48.99 ; 41.85,58.63 41.85,57.95 v2(42.18,57.63) ; 74.67,52.27 74.67,52.78 v2(74.68,52.79) ; 54.59,1.96 54.59,3.51 v2(55.12,4.04) ; v2(16.16,4.59) 15.59,4.01 15.59,1.96 ; 22.43,89.38 21.73,89.38 ; v2(38.18,56.63) 37.9,56.9 C146.1 ; 35.96,57.63 v2(35.18,57.63) ; v2(20.18,90.73) 20.12,90.78 19.62,90.78 ; 69.56,52.53 70.46,52.53 v2(70.52,52.59) ; 30.59,56.63 30.08,56.63 v2(30.04,56.59) 30.04,57.35 30.32,57.63 30.59,57.63 ; 75.67,52.27 75.67,52.78 v2(75.68,52.79) ; 51.18,67.21 52.29,67.21 v2(52.37,67.13) ; v2(21.68,74.63) 21.73,74.68 22.32,74.68 ; v2(60.37,49.69) 60.8,50.12 61.21,50.12 ; v2(50.18,69.63) 50.06,69.51 49.27,69.51 ; v2(30.23,62.68) 30.24,62.66 30.24,61.98 ; 14.98,24.51 15.29,24.51 15.87,23.93 v2(15.87,23.53) ; v2(45.18,65.63) 45.49,65.31 47.18,65.31 ; 36.18,61.31 38.18,61.31 38.27,61.41 42.79,61.41 43.09,61.11 44.18,61.11 v2(44.18,61.63) 44.16,61.64 44.16,62.63 ; v2(65.86,50.85) 66.22,50.5 66.22,50.12 ; 16.19,1.96 v2(16.19,3.56) ; 43.69,63.63 v2(43.18,63.63) ; 48.66,67.13 48.68,67.13 v2(49.18,66.63) ; 64.8,66.31 64.8,66.99 ; 33.19,52.93 33.19,53.59 v2(33.18,53.61) ; v2(63.91,68.69) 63.91,69.45 ; 43.85,56.63 v2(43.18,56.63) ; 38.16,67.63 38.16,66.64 v2(38.18,66.63) 35.96,66.63 ; v2(33.18,55.63) 33.18,54.94 33.19,54.93 ; 22.43,96.58 21.73,96.58 ; v2(48.83,87.31) 48.74,87.22 48.1,87.22 ; v2(63.91,51.59) 62.96,51.59 62.25,50.87 62.25,50.09 ; C163.1 v2(42.18,54.63) 41.54,55.26 41.54,55.63 ; 46.97,31.51 46.97,32.03 v2(46.77,32.23) ; 39.45,55.63 39.45,55.36 v2(40.18,54.63) ; v2(38.18,54.63) 38.19,54.61 38.19,54.03 ; 66.56,67.11 66.78,66.9 66.78,66.37 66.85,66.29 ; v2(46.18,61.63) 46.86,61.63 46.87,61.61 ; 61.76,65.34 v2(60.91,65.34) ; v2(37.18,59.63) 37.85,58.95 37.85,58.63 ; v2(40.18,57.63) 39.9,57.9 C138.1 ; v2(81.68,52.79) 81.67,52.78 81.67,52.27 ; 76.67,52.27 76.67,52.78 v2(76.68,52.79) ; 49.66,60.63 v2(50.18,60.63) 50.18,61.21 50.59,61.63 ; 36.66,69.63 37.16,69.63 v2(37.18,69.61) 37.19,69.63 38.19,69.63 ; 31.18,69.63 v2(31.18,69.61) 31.19,69.63 31.69,69.63 31.4,69.63 30.18,68.41 30.18,67.31 ; 40.16,64.63 40.16,63.64 v2(40.18,63.63) 36.96,63.63 ; 63.9,53.42 63.9,52.7 ; v2(33.18,57.63) 32.77,58.03 C190.1 ; v2(44.18,57.63) 43.9,57.9 C242.1 ; 47.76,72.56 49.18,72.56 v2(49.2,72.58) ; v2(37.18,54.63) 36.76,55.04 36.76,55.23 ; 36.95,56.13 36.95,56.4 v2(37.18,56.63) ; 43.9,55.68 43.9,55.54 44.82,54.63 v2(45.18,54.63)